# Altium PCB DRS4-PCB.PcbDoc (part 9 of 15) (continued)
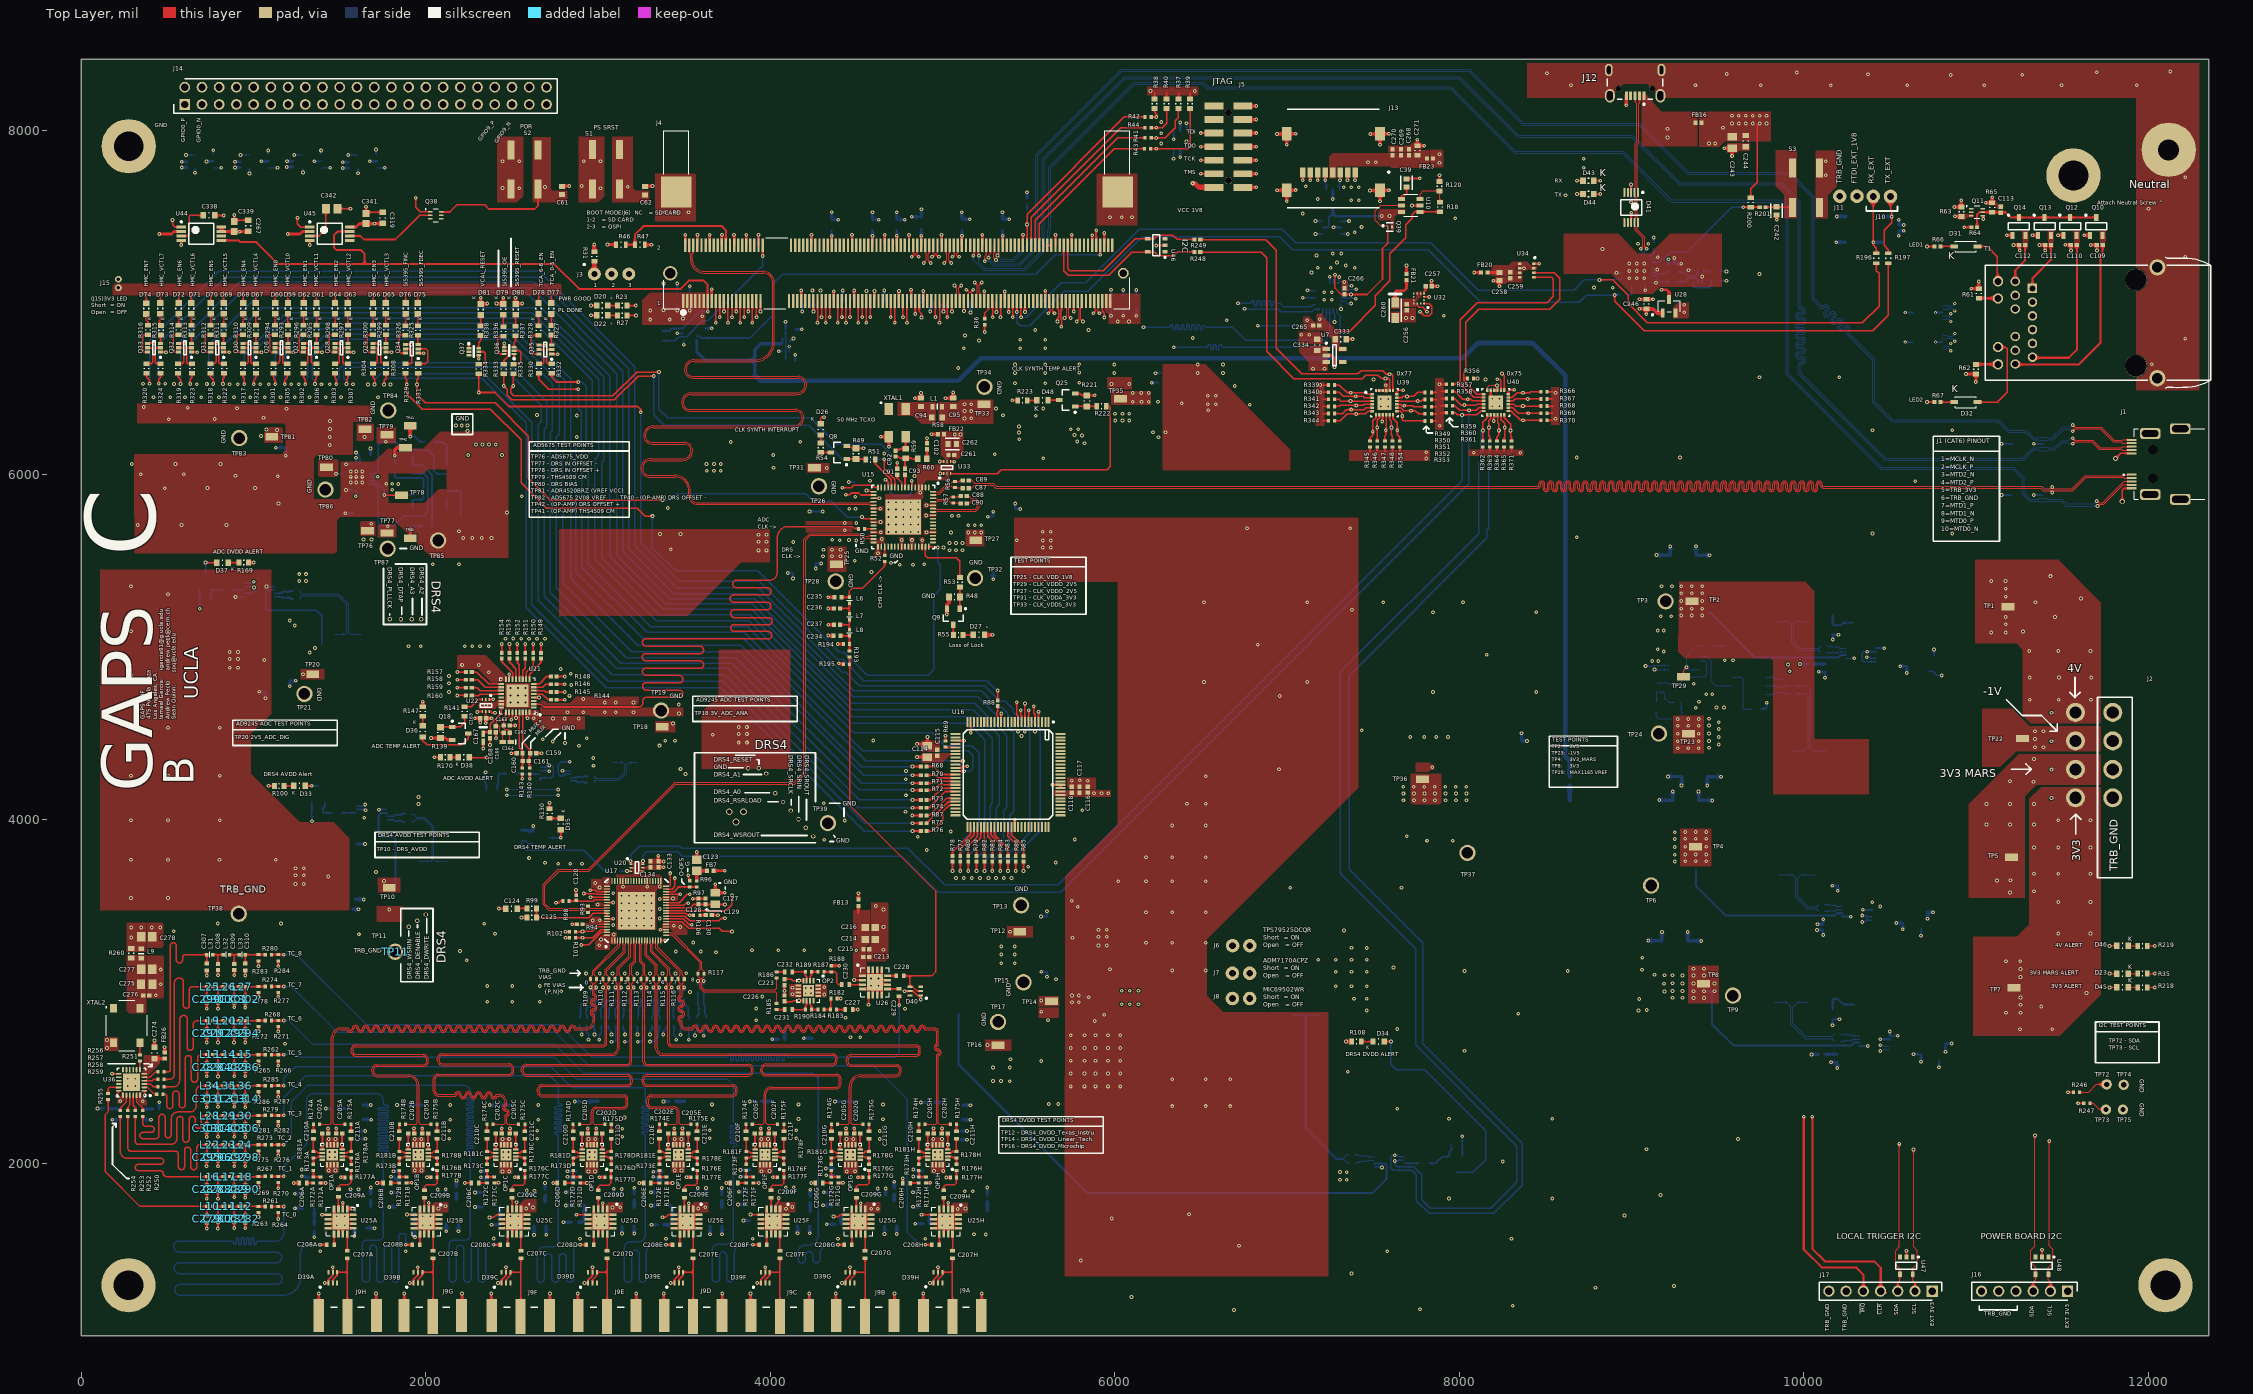
[diagram p0: Top Layer view]
## Nets (pads, with @x,y where several pads share a name; then routed paths per layer and width w, separated by ;. In a path a pad name is that pad's centre, name@x,y a point inside that pad or via, vN(x,y) a via of type N, cw(c..) or ccw(c..) an arc to the next point about the centre after c; other vN are vias at no path point) (continued)
NetD69_1: D69.1 R311.2 | length 67.2
  Top Layer w7.87: R311.2@825.83,6867.01 D69.1@825.83,6934.17
NetD70_1: D70.1 R312.2 | length 67.2
  Top Layer w7.87: R312.2@751.02,6867.01 D70.1@751.02,6934.17
NetD71_1: D71.1 R313.2 | length 67.7
  Top Layer w7.87: D71.1@638.42,6934.17 638.42,6868.35 R313.2@639.77,6867.01
NetD72_1: D72.1 R314.2 | length 67.5
  Top Layer w7.87: D72.1@563.98,6934.06 563.98,6868 R314.2@564.97,6867.01
NetD73_1: D73.1 R315.2 | length 69.7
  Top Layer w7.87: R315.2@452.31,6867.03 452.31,6891.24 458.81,6897.73 D73.1@458.81,6934.08
NetD74_1: D74.1 R316.2 | length 69.9
  Top Layer w7.87: D74.1@376.08,6932.62 376.08,6898.02 386.45,6887.64 R316.2@386.45,6867.03
NetD75_1: D75.1 R325.2 | length 69.2
  Top Layer w7.87: R325.2@1953.46,6864.35 D75.1@1953.46,6933.56
NetD76_1: D76.1 R326.2 | length 69.2
  Top Layer w7.87: R326.2@1882.44,6864.35 D76.1@1882.44,6933.56
NetD77_1: D77.1 R327.2 | length 67.1
  Top Layer w7.87: R327.2@2728.82,6866.53 D77.1@2728.82,6933.58
NetD78_1: D78.1 R328.2 | length 69.5
  Top Layer w7.87: R328.2@2653.82,6864.06 D78.1@2653.82,6933.58
NetD79_2: D79.2 R336.1 | length 69.5
  Top Layer w7.87: R336.1@2449.98,6859.12 D79.2@2449.98,6928.66
NetD80_2: D80.2 R337.1 | length 65.9
  Top Layer w7.87: R337.1@2521,6862.36 D80.2@2521,6928.31
NetD81_2: D81.2 R338.1 | length 63.9
  Top Layer w7.87: R338.1@2317.87,6863.44 D81.2@2317.87,6927.32
NetF1_2: F1.2 Q1.2
NetF2_2: F2.2 Q2.2
NetF3_2: F3.2 Q3.2
NetF4_2: F4.2 R14.2
NetFB1_1: FB1.1 R1.3
NetFB2_1: FB2.1 R3.3
NetFB3_1: FB3.1 R5.3
NetFB4_1: FB4.1 R14.3
NetJ3_1: J3.1 R31.1 | length 73.9
  Top Layer w19.68: J3.1@2978.05,7165.12 R31.1@2978.05,7239.06
NetJ4_187: J4.187
NetJ4_189: J4.189
NetJ5_1: J5.1
NetJ5_3: J5.3
NetJ6_1: J6.1 J7.1 J8.1 R118.1
NetJ12_4: J12.4
NetJ14_33: J14.33
NetJ14_35: J14.35
NetJ14_37: J14.37
NetJ14_39: J14.39
NetJ16_1: J16.1
NetJ17_1: J17.1
NetOP1A_1: OP1A.1
NetOP1A_2: OP1A.2 R176A.2 R178A.1 | length 93
  Top Layer w8.72: OP1A.2@1514.41,2042.56 1544.68,2042.56 1553.07,2034.17 R178A.1@1566.22,2034.17 R176A.2@1566.22,1996.5
NetOP1A_11: OP1A.11 R173A.2 R181A.1 | length 92.5
  Top Layer w8.72: R173A.2@1346.81,1996.77 R181A.1@1346.81,2034.17 1365.43,2034.17 1373.82,2042.56 OP1A.11@1398.41,2042.56
NetOP1A_12: OP1A.12
NetOP1B_1: OP1B.1
NetOP1B_2: OP1B.2 R176B.2 R178B.1 | length 92.3
  Top Layer w8.72: OP1B.2@2013.16,2042.56 2037.71,2042.56 2045.07,2035.2 R178B.1@2064.75,2035.2 ; R176B.2@2065.04,1996.5 R178B.1@2065.04,2034.17
NetOP1B_11: OP1B.11 R173B.2 R181B.1 | length 92.5
  Top Layer w8.72: R173B.2@1845.55,1996.77 R181B.1@1845.55,2034.17 1864.18,2034.17 1872.57,2042.56 OP1B.11@1897.16,2042.56
NetOP1B_12: OP1B.12
NetOP1C_1: OP1C.1
NetOP1C_2: OP1C.2 R176C.2 R178C.1 | length 92.3
  Top Layer w8.72: OP1C.2@2522.33,2042.83 2546.88,2042.83 2554.24,2035.47 R178C.1@2573.93,2035.47 ; R176C.2@2574.21,1996.77 R178C.1@2574.21,2034.17 R178C.1@2574.21,2034.45
NetOP1C_11: OP1C.11 R173C.2 R181C.1 | length 92.5
  Top Layer w8.72: R173C.2@2355,1996.77 R181C.1@2355,2034.17 2373.63,2034.17 2382.02,2042.56 OP1C.11@2406.61,2042.56
NetOP1C_12: OP1C.12
NetOP1D_1: OP1D.1
NetOP1D_2: OP1D.2 R176D.2 R178D.1 | length 92.3
  Top Layer w8.72: OP1D.2@3022.49,2042.83 3047.04,2042.83 3054.4,2035.47 R178D.1@3074.09,2035.47 ; R176D.2@3076.47,1995.47 R178D.1@3076.47,2033.15
NetOP1D_11: OP1D.11 R173D.2 R181D.1 | length 92.5
  Top Layer w8.72: R173D.2@2855.16,1996.77 R181D.1@2855.16,2034.17 2873.79,2034.17 2882.17,2042.56 OP1D.11@2906.76,2042.56
NetOP1D_12: OP1D.12
NetOP1E_1: OP1E.1
NetOP1E_2: OP1E.2 R176E.2 R178E.1 | length 92.3
  Top Layer w8.72: OP1E.2@3521.15,2042.83 3545.7,2042.83 3553.06,2035.47 R178E.1@3572.75,2035.47 ; R176E.2@3575.13,1995.47 R178E.1@3575.13,2033.15
NetOP1E_11: OP1E.11 R173E.2 R181E.1 | length 92.5
  Top Layer w8.72: R173E.2@3355.63,1996.77 R181E.1@3355.63,2034.17 3374.26,2034.17 3382.65,2042.56 OP1E.11@3407.24,2042.56
NetOP1E_12: OP1E.12
NetOP1F_1: OP1F.1
NetOP1F_2: OP1F.2 R176F.2 R178F.1 | length 92.3
  Top Layer w8.72: OP1F.2@4024.22,2042.83 4048.77,2042.83 4056.13,2035.47 R178F.1@4075.82,2035.47 ; R176F.2@4078.2,1995.47 R178F.1@4078.2,2033.15
NetOP1F_11: OP1F.11 R173F.2 R181F.1 | length 92.5
  Top Layer w8.72: R173F.2@3858.7,1996.77 3858.7,2034.17 R181F.1@3859.13,2034.17 3877.33,2034.17 3885.72,2042.56 OP1F.11@3910.31,2042.56
NetOP1F_12: OP1F.12
NetOP1G_1: OP1G.1
NetOP1G_2: OP1G.2 R176G.2 R178G.1 | length 92.3
  Top Layer w8.72: OP1G.2@4519.02,2042.83 4543.57,2042.83 4550.94,2035.47 R178G.1@4570.62,2035.47 ; R176G.2@4573,1995.47 R178G.1@4573,2033.15
NetOP1G_11: OP1G.11 R173G.2 R181G.1 | length 92.5
  Top Layer w8.72: R173G.2@4353.94,1996.77 R181G.1@4353.94,2034.17 4372.57,2034.17 4380.95,2042.56 OP1G.11@4405.54,2042.56
NetOP1G_12: OP1G.12
NetOP1H_1: OP1H.1
NetOP1H_2: OP1H.2 R176H.2 R178H.1 | length 92.3
  Top Layer w8.72: OP1H.2@5026.54,2042.83 5051.09,2042.83 5058.46,2035.47 R178H.1@5078.14,2035.47 ; R176H.2@5080.52,1995.47 R178H.1@5080.52,2033.15
NetOP1H_11: OP1H.11 R173H.2 R181H.1 | length 92.5
  Top Layer w8.72: R173H.2@4861.46,1996.77 R181H.1@4861.46,2034.17 4880.09,2034.17 4888.47,2042.56 OP1H.11@4913.06,2042.56
NetOP1H_12: OP1H.12
NetOP2_1: OP2.1
NetOP2_2: OP2.2 R187.2 R189.1 | length 92.3
  Top Layer w8.72: OP2.2@4230.19,3059.86 4230.19,3084.41 4237.55,3091.77 R189.1@4237.55,3111.46 ; R189.1@4239.87,3113.84 R187.2@4277.55,3113.84
NetOP2_11: OP2.11 R184.2 R190.1 | length 92.5
  Top Layer w7.87: OP2.11@4230.47,2946.38 4230.47,2921.79 4238.86,2913.4 R190.1@4238.86,2894.75 ; R190.1@4238.86,2894.75 R184.2@4276.26,2894.77
NetOP2_12: OP2.12
NetOP3_1: OP3.1 OP3.2 R288.2 | length 196.4
  Bottom Layer w10: R288.2@2048.98,6191.95 2050.93,6190 2101,6190 2120.42,6170.58 OP3.1@2120.42,6104.47 OP3.2@2120.42,6054.47
NetOP3_5: OP3.5 R290.1 R292.1 | length 221.9
  Bottom Layer w8: OP3.5@2120.42,5904.47 2195.94,5904.47 R290.1@2202,5898.41 R292.1@2202,5760.59
NetOP3_6: OP3.6 OP3.7 | length 50
  Bottom Layer w8: OP3.7@2120.42,5804.47 OP3.6@2120.42,5854.47
NetOP3_8: OP3.8 OP3.9 R291.1 | length 430.4
  Bottom Layer w10: R291.1@1818.89,6016.44 1818.89,5988.44 1826.33,5981 1980.23,5981 1986,5975.23 1986,5862.14 1978.33,5854.47 OP3.9@1922.42,5854.47 OP3.8@1922.42,5804.47
NetOP3_13: OP3.13 OP3.14 R289.1 | length 483.9
  Bottom Layer w10: OP3.14@1922.42,6104.47 OP3.13@1922.42,6054.47 1980.23,6054.47 2036,5998.7 R289.1@2036,5701.47
NetQ5_1: Q5.1 Q6.3 R24.1 | length 7997.5
  Bottom Layer w11.81: 4062.72,6761.06 4068.94,6767.29 4068.94,6790.09
  Bottom Layer w13.78: 3572.24,6713.65 Q6.3@3572.24,6782.14
  Bottom Layer w19.68: 3572.24,6713.65 3620.93,6664.96 3909.56,6664.96 ; 3909.56,6577.76 3909.56,6664.96 ; 4062.4,6761.06 3945.08,6761.06 3909.56,6725.55 3909.56,6664.96
  Bottom Layer w27.56: 3909.56,6577.76 3942.04,6545.29 5089.78,6545.29 5220.39,6675.9 8019.59,6675.9 8107.89,6764.21 8426.53,6764.21 8614.16,6576.57 8614.16,4362.86 8639.98,4337.05 R24.1@8639.98,4249.12
NetQ5_3: Q5.3 R23.1 | length 1169.1
  Top Layer w7.87: R23.1@3167.96,6982.13 v1(3219,6982.13)
  Power Layer 10 w7.87: v1(3219,6982.13) 3948.31,6982.13 3967.64,6962.8 3967.64,6805.91 3983.46,6790.08 v1(4134.24,6790.08)
  Bottom Layer w8: Q5.3@4108.31,6776.9 4121.06,6776.9 v1(4134.24,6790.08)
NetQ5_4: Q5.4 Q5.6 | length 130.4
  Power Layer 10 w7.87: v1(4048.49,6717.24) 4075.64,6744.4 v7(4109.28,6744.4)
  Bottom Layer w7.87: v1(4048.49,6717.24) 4068.38,6717.24 4068.94,6716.68 Q5.6@4068.94,6711.9 ; Q5.4@4108.31,6711.9 4108.79,6712.38 4108.79,6743.91 v7(4109.28,6744.4)
NetQ6_6: Q6.6 R27.2 | length 424.9
  Top Layer w7.87: R27.2@3167.87,6924.49 v1(3219.7,6924.49)
  Power Layer 10 w7.87: v1(3219.7,6924.49) 3219.7,6856.22 3228.61,6847.31 3453.34,6847.31 3459.72,6840.94 3459.5,6840.73 v1(3459.5,6821.71) 3459.5,6820.85 v1@3459.72,6820.64
  Bottom Layer w5: v1(3459.5,6821.71) Q6.6@3497.53,6821.71
NetQ7_1: Q7.1 R32.1 R34.1
NetQ8_1: Q8.1 R49.1 R51.1 | length 112.6
  Top Layer w7.87: Q8.1@4442,6091.48 R49.1@4496.19,6091.48 ; R49.1@4496.95,6090.5 4550.86,6090.5 R51.1@4554.05,6087.32
NetQ8_3: Q8.3 R54.1 | length 57.3
  Top Layer w7.87: R54.1@4292.3,6128.49 4292.7,6128.88 Q8.3@4349.48,6128.88
NetQ9_1: Q9.1 R48.1 R53.1 | length 125.3
  Top Layer w7.87: Q9.1@5099.1,5222.51 5099.68,5223.09 R48.1@5099.68,5290.43 R53.1@5099.68,5347.53
NetQ9_3: Q9.3 R55.1 | length 60.8
  Top Layer w7.87: Q9.3@5061.69,5129.99 5061.69,5071.89 R55.1@5063.63,5069.96
NetQ10_1: Q10.1 Q11.3 Q12.1 Q13.1 Q14.1 R63.1 | length 1010.3
  Top Layer w15.75: v1(10877.32,7500.4) 10878.4,7499.33 R63.1@10914.64,7499.33 ; v1(11178.03,7389.68) Q14.1@11210.66,7389.68 ; v1(11326.74,7389.68) Q13.1@11359.37,7389.68 ; v1(11475.45,7389.68) Q12.1@11508.08,7389.68 ; v1(11627.02,7389.68) Q10.1@11659.66,7389.68 Q10.1@11659.57,7389.77
  Signal Layer 3 w15.75: v1(10877.32,7500.4) 10872.87,7495.95 10872.87,7432.16 10915.35,7389.68 v1(11627.02,7389.68)
NetQ11_1: Q11.1
NetQ11_2: Q11.2
NetQ11_6: Q11.6
NetQ15_1: Q15.1 R91.1 R95.1 | length 120.1
  Bottom Layer w7.87: Q15.1@1412.6,4100.01 1412.6,4071.8 1401.77,4060.97 R91.1@1401.77,4036.66 1452.37,4036.66 R95.1@1453.55,4037.84
NetQ16_1: Q16.1 R104.1 R107.1 | length 208.9
  Bottom Layer w7.87: R107.1@7822.88,2001.3 7861.13,2001.3 7900.47,2040.64 7941.22,2040.64 Q16.1@7942.17,2041.59 7942.17,2068.48 7953.87,2080.18 R104.1@7953.87,2109.64
NetQ17_1: Q17.1 R119.1 R129.1 | length 678
  Bottom Layer w7.87: Q17.1@2623.16,3856.37 2593.09,3856.37 2575.59,3873.87 R119.1@2555.24,3873.87 2555.24,3844.32 2578.65,3820.9 2917.58,3820.9 3039.62,3698.86 R129.1@3068.26,3698.86
NetQ18_1: Q18.1 R139.1 R141.1 | length 196.7
  Top Layer w7.87: R139.1@2084.8,4535.52 Q18.1@2153.5,4535.52 2198.94,4535.52 2224.85,4561.42 R141.1@2224.85,4607.35
NetQ19_1: Q19.1 R164.1 R167.1 | length 143.2
  Bottom Layer w7.8: Q19.1@2420.29,4236.83 2420.29,4258.23 2427.35,4265.29 R167.1@2468.78,4265.29
  Bottom Layer w7.87: R164.1@2414.41,4168.9 2414.41,4195.73 2420.29,4201.6 Q19.1@2420.29,4236.83
NetQ20_1: Q20.1 R163.1 R168.1 | length 142.6
  Bottom Layer w7.87: R163.1@749.74,5265.89 749.74,5298.2 758.08,5306.54 Q20.1@758.08,5333.81 761.22,5330.67 R168.1@827.97,5330.67
NetQ21_2: Q21.2 R205.2 | length 148.9
  Bottom Layer w7.87: R205.2@9267.59,7175.7 R205.2@9275.47,7175.7 9304.99,7175.7 9324.68,7156.01 9374.04,7156.01 9383.73,7165.71 Q21.2@9383.73,7186.32
NetQ21_3: Q21.3 R202.1 | length 56.4
  Bottom Layer w7.87: Q21.3@9409.32,7186.32 9432.17,7186.32 9438.85,7179.64 9462.69,7179.64 R202.1@9462.9,7179.84
NetQ21_5: Q21.5 R204.1 | length 148.4
  Bottom Layer w7.87: R204.1@9267.59,7120.58 R204.1@9275.47,7120.58 9308.93,7120.58 9328.61,7140.27 9375.86,7140.27 9383.73,7132.39 Q21.5@9383.73,7111.52
NetQ21_6: Q21.6 R203.1 | length 157.9
  Bottom Layer w7.87: Q21.6@9358.14,7111.52 9358.14,7095.26 9367.6,7085.81 9449.35,7085.81 9462.9,7099.35 R203.1@9462.9,7126.68
NetQ22_1: Q22.1 R209.1 R215.1
NetQ23_1: Q23.1 R210.1 R216.1
NetQ25_1: Q25.1 R221.1 R222.1 | length 125.8
  Top Layer w7.87: Q25.1@5769.12,6395.51 5771.08,6397.47 R222.1@5894.14,6397.47
NetQ26_2: Q26.2 R305.2 | length 127.2
  Top Layer w7.87: Q26.2@1188.07,6737.09 1174.99,6737.09 1168.58,6730.68 1168.58,6649.02 1173.03,6644.57 R305.2@1190.13,6644.57
NetQ26_3: Q26.3 R293.1 | length 49.2
  Top Layer w7.87: Q26.3@1199.41,6762.68 R293.1@1199.41,6811.89
NetQ26_5: Q26.5 R301.1 | length 156.9
  Top Layer w7.87: R301.1@1111.44,6644.57 R301.1@1115.32,6644.57 1138.86,6644.57 1151.66,6657.37 1151.66,6729.18 1143.75,6737.09 Q26.5@1124.62,6737.09 Q26.5@1115.33,6737.09
NetQ26_6: Q26.6 R294.1 | length 156.4
  Top Layer w7.87: Q26.6@1124.62,6711.5 1123.05,6709.92 1102.51,6709.92 1093.03,6719.4 1093.03,6805.33 1099.59,6811.89 R294.1@1124.61,6811.89
NetQ27_2: Q27.2 R306.2 | length 123.6
  Top Layer w7.87: Q27.2@1353.62,6737.09 1343.53,6737.09 1333.53,6727.08 1333.53,6653.64 1342.6,6644.57 R306.2@1355.67,6644.57
NetQ27_3: Q27.3 R295.1 | length 49.2
  Top Layer w7.87: Q27.3@1364.96,6762.68 R295.1@1364.96,6811.89
NetQ27_5: Q27.5 R302.1 | length 157.4
  Top Layer w7.87: R302.1@1276.99,6644.57 R302.1@1289.65,6644.57 1308.53,6644.57 1315.59,6651.63 1315.59,6729.75 1308.26,6737.09 Q27.5@1290.17,6737.09 Q27.5@1280.88,6737.09
NetQ27_6: Q27.6 R296.1 | length 148
  Top Layer w7.87: Q27.6@1290.17,6711.5 1268.69,6711.5 1263.4,6716.79 1263.4,6807.14 1268.14,6811.89 R296.1@1290.16,6811.89
NetQ28_2: Q28.2 R307.2 | length 123.4
  Top Layer w7.87: Q28.2@1535.94,6737.09 1525.55,6737.09 1516.25,6727.79 1516.25,6653.32 1525.01,6644.57 R307.2@1538,6644.57
NetQ28_3: Q28.3 R297.1 | length 49.2
  Top Layer w7.87: Q28.3@1547.28,6762.68 R297.1@1547.28,6811.89
NetQ28_5: Q28.5 R303.1 | length 157.4
  Top Layer w7.87: R303.1@1459.31,6644.57 R303.1@1472.68,6644.57 1490.85,6644.57 1497.92,6651.63 1497.92,6729.75 1490.58,6737.09 Q28.5@1472.5,6737.09 Q28.5@1463.21,6737.09
NetQ28_6: Q28.6 R298.1 | length 157.1
  Top Layer w7.87: Q28.6@1472.5,6711.5 1447.15,6711.5 1440.34,6718.31 1440.34,6805.67 1446.56,6811.89 R298.1@1472.48,6811.89
NetQ29_2: Q29.2 R308.2 | length 120.9
  Top Layer w7.87: Q29.2@1756.49,6737.09 1746.94,6737.09 1737.23,6727.38 1737.23,6655.61 1748.28,6644.57 R308.2@1758.54,6644.57
NetQ29_3: Q29.3 R299.1 | length 49.2
  Top Layer w7.87: Q29.3@1767.83,6762.68 R299.1@1767.83,6811.9
NetQ29_5: Q29.5 R304.1 | length 157.4
  Top Layer w7.87: R304.1@1679.86,6644.57 R304.1@1693.67,6644.57 1711.4,6644.57 1718.46,6651.63 1718.46,6729.75 1711.13,6737.09 Q29.5@1693.04,6737.09 Q29.5@1683.75,6737.09
NetQ29_6: Q29.6 R300.1 | length 157.1
  Top Layer w7.87: Q29.6@1693.05,6711.51 1667.7,6711.51 1660.89,6718.32 1660.89,6805.68 1667.11,6811.9 R300.1@1693.03,6811.9
NetQ30_2: Q30.2 R321.2 | length 145.4
  Top Layer w7.87: Q30.2@1013.4,6737.09 990.89,6737.09 983.86,6730.06 983.86,6651.59 990.89,6644.57 R321.2@1013.39,6644.57 R321.2@1015.45,6644.57
NetQ30_3: Q30.3 R309.1 | length 49.2
  Top Layer w7.87: Q30.3@1013.39,6762.68 R309.1@1013.39,6811.89
NetQ30_5: Q30.5 R317.1 | length 148.4
  Top Layer w7.87: R317.1@934.7,6644.57 R317.1@938.58,6644.57 959.85,6644.57 968.99,6653.71 968.99,6731.16 963.06,6737.09 Q30.5@938.59,6737.09
NetQ30_6: Q30.6 R310.1 | length 162.7
  Top Layer w7.87: Q30.6@938.58,6711.5 912.77,6711.5 900.82,6723.44 900.82,6801.22 911.49,6811.89 R310.1@938.58,6811.89
NetQ31_2: Q31.2 R322.2 | length 145.2
  Top Layer w7.87: Q31.2@825.84,6737.09 803.34,6737.09 796.55,6730.3 796.55,6651.34 803.33,6644.57 R322.2@827.9,6644.57
NetQ31_3: Q31.3 R311.1 | length 49.2
  Top Layer w7.87: Q31.3@825.83,6762.68 R311.1@825.83,6811.89
NetQ31_5: Q31.5 R318.1 | length 140.3
  Top Layer w7.87: R318.1@750.52,6644.57 771.78,6644.57 781.99,6654.78 781.99,6728.14 773.04,6737.09 Q31.5@754.42,6737.09
NetQ31_6: Q31.6 R312.1 | length 157.5
  Top Layer w7.87: R312.1@751.02,6811.89 749.99,6810.85 724.56,6810.85 718.18,6804.47 718.18,6718.81 725.49,6711.5 Q31.6@751.04,6711.5
NetQ32_2: Q32.2 R323.2 | length 145
  Top Layer w7.87: Q32.2@639.66,6737.09 617.15,6737.09 610.64,6730.58 610.64,6651.07 617.15,6644.57 R323.2@641.71,6644.57
NetQ32_3: Q32.3 R313.1 | length 49.3
  Top Layer w7.87: Q32.3@639.67,6762.68 639.67,6776.93 639.77,6777.03 R313.1@639.77,6811.89
NetQ32_5: Q32.5 R319.1 | length 148.3
  Top Layer w7.87: R319.1@560.96,6644.57 586.11,6644.57 595.14,6653.6 595.14,6731.27 589.32,6737.09 Q32.5@564.85,6737.09
NetQ32_6: Q32.6 R314.1 | length 151.4
  Top Layer w7.87: Q32.6@564.85,6711.5 545.41,6711.5 534.44,6722.47 534.44,6805.9 540.43,6811.89 R314.1@564.97,6811.89
NetQ33_2: Q33.2 R324.2 | length 145.3
  Top Layer w7.87: Q33.2@459.41,6737.09 437.26,6737.09 428.25,6728.09 428.25,6652.67 436.36,6644.56 R324.2@459.86,6644.57
NetQ33_3: Q33.3 R315.1 | length 49.7
  Top Layer w7.87: Q33.3@459.41,6762.68 459.41,6809.21 R315.1@461.65,6811.46
NetQ33_5: Q33.5 R320.1 | length 145.4
  Top Layer w7.87: R320.1@378.64,6644.57 404.79,6644.56 413.33,6653.1 413.33,6727.61 403.84,6737.09 Q33.5@384.61,6737.09
NetQ33_6: Q33.6 R316.1 | length 149.3
  Top Layer w7.87: Q33.6@384.61,6711.5 365.94,6711.5 355.66,6721.79 355.66,6803.72 363.84,6811.91 R316.1@386.45,6811.91
NetQ34_2: Q34.2 R331.2 | length 183.3
  Top Layer w9.8: R331.2@1955.59,6644.57 1997.84,6644.57 2010.67,6657.4 2010.67,6721.22 2001.02,6730.87 Q34.2@1955.59,6730.87
NetQ34_3: Q34.3 R325.1 | length 53.6
  Top Layer w7.87: R325.1@1953.46,6809.23 1953.46,6758.58 Q34.3@1955.58,6756.46
NetQ34_5: Q34.5 R329.1 | length 150.6
  Top Layer w7.8: R329.1@1880.79,6644.57 1912.27,6644.57 1916.71,6649.01 1916.71,6722.38 1908.22,6730.87 Q34.5@1880.78,6730.87
NetQ34_6: Q34.6 R326.1 | length 167.1
  Top Layer w7.87: Q34.6@1880.79,6705.28 1879.75,6706.32 1855.12,6706.32 1844.83,6716.6 1844.83,6802.77 1851.3,6809.23 R326.1@1882.44,6809.23
NetQ35_2: Q35.2 R332.2 | length 131.4
  Top Layer w7.87: R332.2@2730.47,6644.57 2706.02,6644.57 2701.36,6649.23 2701.36,6716.34 2711.27,6726.26 Q35.2@2730.46,6726.26
NetQ35_3: Q35.3 R327.1 | length 60.2
  Top Layer w7.87: R327.1@2728.82,6811.41 2728.82,6753.48 Q35.3@2730.46,6751.85
NetQ35_5: Q35.5 R330.1 | length 131.5
  Top Layer w7.87: R330.1@2655.67,6644.57 2678.84,6644.57 2685.31,6651.04 2685.31,6716.59 2675.65,6726.26 Q35.5@2655.65,6726.26
NetQ35_6: Q35.6 R328.1 | length 178.9
  Top Layer w7.87: R328.1@2653.82,6808.94 2626,6808.94 2612.75,6795.69 2612.75,6710.2 2622.28,6700.66 Q35.6@2655.67,6700.66
NetQ36_2: Q36.2 R335.1 | length 145.9
  Top Layer w7.87: R335.1@2507.48,6644.63 2539.42,6644.63 2550.57,6655.78 2550.57,6711.98 2542.02,6720.53 Q36.2@2512.13,6720.53
NetQ36_3: Q36.3 R337.2 | length 70.7
  Top Layer w7.87: Q36.3@2512.13,6740.21 2512.13,6767.79 2521,6776.66 R337.2@2521,6807.23
NetQ36_5: Q36.5 R333.2 | length 106.9
  Top Layer w7.87: R333.2@2452.2,6644.93 2452.2,6661.57 2479.58,6688.95 2479.58,6712.7 2471.75,6720.53 Q36.5@2455.05,6720.53
NetQ36_6: Q36.6 R336.2 | length 160.9
  Top Layer w7.87: R336.2@2449.98,6803.99 2428.29,6803.99 2416.39,6792.09 2416.39,6713.67 2429.21,6700.84 Q36.6@2455.05,6700.84
NetQ37_2: Q37.2
NetQ37_3: Q37.3
NetQ37_5: Q37.5 R334.2 | length 119.5
  Top Layer w9.84: Q37.5@2306.66,6713.85 2335.61,6713.85 2343.88,6705.58 2343.88,6657.03 2329.77,6642.92 R334.2@2319.33,6642.92
NetQ37_6: Q37.6 R338.2 | length 80.7
  Top Layer w7.87: Q37.6@2306.66,6733.53 2306.15,6734.1 2306.15,6767.31 2319.68,6780.85 R338.2@2319.68,6808.34
NetQ38_2: Q38.2 U45.6 | length 535.8
  Top Layer w9.84: U45.6@1558.17,7386.22 1619.27,7386.22 1640.18,7365.31 1822.79,7365.31 1874.06,7416.58 1874.58,7416.58 1964,7506 Q38.2@2025.5,7506 Q38.2@2027,7506
NetQ38_3: Q38.3
NetQ38_4: Q38.4
NetQ38_5: Q38.5
NetQ39_1: Q39.1 U10.5 | length 305.3
  Top Layer w5: Q39.1@7583.23,7444.97 7543.71,7444.97 7511,7477.68 7511,7531 7543,7563 U10.5@7663.97,7563
NetR10_1: R10.1 R11.2 U3.7
NetR18_1: R18.1 R120.2 U10.3 | length 216.7
  Top Layer w6: U10.3@7771.47,7600.4 7771.47,7629.53 7789.38,7647.44 R120.2@7884.8,7647.44 7887,7645.24 R18.1@7887,7581.56
NetR34_2: R34.2 U14.3
NetR51_2: R51.2 U15.12 | length 199.7
  Top Layer w7.87: R51.2@4609.17,6087.32 4609.17,6063.46 4703.06,5969.57 U15.12@4703.06,5926.47
NetR53_2: R53.2 U15.47 | length 360
  Top Layer w7.87: U15.47@4899.91,5581.98 4899.91,5530.52 4912.8,5517.64 5080.03,5517.64 5099.68,5497.99 R53.2@5099.68,5402.65
NetR61_2: R61.2 T1.14 | length 109.9
  Top Layer w15.75: R61.2@11015.41,7025.02 T1.14@11125.35,7025.02
NetR62_2: R62.2 T1.16 | length 127.2
  Top Layer w15.75: R62.2@10999.02,6639.99 11000.24,6641.21 T1.16@11125.68,6641.21
NetR69_1: R69.1 U16.30 | length 58.8
  Top Layer w7.87: R69.1@5016.61,4419.76 5019.76,4416.61 U16.30@5074.09,4416.61
NetR94_2: R94.2 U17.72 | length 140.1
  Top Layer w7.87: R94.2@2910.43,3389.69 2910.8,3390.05 2959.88,3390.05 2959.99,3389.94 3050.17,3389.94 U17.72@3050.28,3390.05
NetR95_2: R95.2 U18.3 | length 88.6
  Bottom Layer w7.87: R95.2@1508.67,4037.84 1509.68,4036.82 U18.3@1596.9,4036.82
NetR107_2: R107.2 U19.3 | length 86.8
  Bottom Layer w7.87: U19.3@7680.98,2001.3 R107.2@7767.77,2001.3
NetR121_2: R121.2 U31.6 | length 101.2
  Bottom Layer w5: U31.6@9777,4825 9824,4825 9836,4813 9872.56,4813 R121.2@9873,4813.44
NetR122_2: R122.2 R123.1 U31.3 | length 291.9
  Bottom Layer w5: U31.3@9583,4825 9636,4825 9647.56,4813.44 9647.56,4639 R123.1@9695.69,4639
NetR124_1: R124.1 R125.2 U43.3 | length 206.1
  Bottom Layer w5: R124.1@9144.51,4677.56 R125.2@9144.51,4738.44 ; R125.2@9144.85,4738.62 9180,4738.62 9192,4726.62 9192,4703 9217.01,4677.99 U43.3@9251.15,4677.99
NetR126_1: R126.1 TP29.1 U49.4 | length 329.2
  Top Layer w5: TP29.1@9301,4826 9301,4864 v1(9319,4882)
  Bottom Layer w5: U49.4@9388.65,4868.61 9332.39,4868.61 v1(9319,4882) 9319,4945.93 9378.88,5005.8 R126.1@9420.8,5005.8
NetR129_2: R129.2 U20.3 | length 66.7
  Top Layer w7.87: v1(3167.59,3698.86) U20.3@3190.11,3698.86
  Bottom Layer w7.87: R129.2@3123.38,3698.86 v1(3167.59,3698.86)
NetR141_2: R141.2 U22.3 | length 120.8
  Top Layer w7.87: R141.2@2224.92,4653.05 2262.78,4653.05 2304.81,4695.08 U22.3@2328.27,4695.08
NetR167_2: R167.2 U23.3 | length 142
  Bottom Layer w7.8: R167.2@2523.9,4265.29 R167.2@2524.86,4266.25 ; R167.2@2524.86,4264.89 2563.58,4264.89 2567.26,4261.21 U23.3@2663.94,4261.21
NetR168_2: R168.2 U24.3 | length 64.3
  Bottom Layer w7.87: R168.2@883.09,5330.67 U24.3@947.41,5330.71
NetR171A_1: R171A.1 R172A.1 R173A.1 | length 78.7
  Top Layer w8.72: R173A.1@1346.81,1961.34 R172A.1@1346.81,1923.94 R171A.1@1388.16,1923.94
NetR171B_1: R171B.1 R172B.1 R173B.1 | length 78.8
  Top Layer w8.72: R173B.1@1845.55,1961.34 R172B.1@1845.55,1923.94 R171B.1@1886.9,1923.94
NetR171C_1: R171C.1 R172C.1 R173C.1 | length 78.8
  Top Layer w8.72: R173C.1@2355,1961.34 R172C.1@2355,1923.94 R171C.1@2396.35,1923.94
NetR171D_1: R171D.1 R172D.1 R173D.1 | length 78.8
  Top Layer w8.72: R173D.1@2855.16,1961.34 R172D.1@2855.16,1923.94 R171D.1@2896.51,1923.94
NetR171E_1: R171E.1 R172E.1 R173E.1 | length 78.8
  Top Layer w8.72: R173E.1@3355.63,1961.34 R172E.1@3355.63,1923.94 R171E.1@3396.98,1923.94
NetR171F_1: R171F.1 R172F.1 R173F.1 | length 78.8
  Top Layer w8.72: R173F.1@3859.13,1961.34 R172F.1@3859.13,1923.94 R171F.1@3900.48,1923.94
NetR171G_1: R171G.1 R172G.1 R173G.1 | length 78.8
  Top Layer w8.72: R173G.1@4353.94,1961.34 R172G.1@4353.94,1923.94 R171G.1@4395.29,1923.94
NetR171H_1: R171H.1 R172H.1 R173H.1 | length 78.8
  Top Layer w8.72: R173H.1@4861.46,1961.34 R172H.1@4861.46,1923.94 R171H.1@4902.81,1923.94
NetR182_1: R182.1 R183.1 R184.1 | length 102.8
  Top Layer w8.72: R184.1@4311.69,2894.77 R183.1@4349.09,2894.77 4349.09,2920.55 4351.07,2922.53 R182.1@4351.07,2959.32
NetR198_1: R198.1 U27.30 | length 79.7
  Bottom Layer w7.87: R198.1@8966.13,7044.38 8991.36,7044.38 8999.53,7052.55 U27.30@8999.53,7095.47
NetR199_1: R199.1 U27.2 | length 57.6
  Bottom Layer w7.87: R199.1@8885.39,7131.12 8902.9,7131.12 8906.07,7134.29 8941.03,7134.29 U27.2@8941.46,7133.86
NetR200_1: R200.1 R201.1 U27.18 | length 759.9
  Top Layer w7.87: v1(9648.2,7553.18) R200.1@9691.51,7553.18 R201.1@9743.67,7553.18
  Bottom Layer w7.87: U27.18@9116.65,7232.28 9164.1,7232.28 9223.32,7291.5 9319.5,7291.5 9581.18,7553.18 v1(9648.2,7553.18)
NetR215_2: R215.2 U29.3
NetR216_2: R216.2 U30.3
NetR222_2: R222.2 U33.3 | length 1315.5
  Top Layer w7.87: U33.3@5045.34,6006.51 5317.48,6006.51 5339.39,6028.42 5954.33,6028.42 5973.82,6047.91 5973.82,6390.16 5966.5,6397.47 R222.2@5949.25,6397.47
NetR246_2: R246.2 TP72.1 | length 175.9
  Top Layer w6: R246.2@11600.92,2414.92 11652.6,2414.92 11698.12,2460.44 TP72.1@11757.98,2460.44
NetR247_2: R247.2 TP73.1 | length 108.6
  Top Layer w6: R247.2@11659.92,2350.59 11679.91,2350.59 11714.57,2315.94 11752.03,2315.94 TP73.1@11753.57,2314.4
NetR250_1: R250.1 U36.23 | length 97.8
  Top Layer w8.72: U36.23@320.43,2398.48 320.43,2360.18 356.79,2323.82 R250.1@356.79,2315.71
NetR251_1: R251.1 XTAL2.3 | length 70.8
  Top Layer w7.87: R251.1@339.98,2631.62 XTAL2.3@339.98,2702.44
NetR251_2: R251.2 U36.7 | length 50.1
  Top Layer w7.87: R251.2@339.98,2596.19 339.98,2546.25 U36.7@340.11,2546.12
NetR252_1: R252.1 U36.22 | length 93.5
  Top Layer w8.72: U36.22@300.74,2398.48 300.74,2338.93 313.32,2326.36 R252.1@313.32,2310.16
NetR253_1: R253.1 U36.21 | length 93
  Top Layer w8.72: R253.1@269.84,2310.16 269.84,2328.99 281.06,2340.21 U36.21@281.06,2398.48
NetR254_1: R254.1 U36.20 | length 97.8
  Top Layer w8.72: R254.1@226.37,2315.22 226.37,2325.02 261.37,2360.03 U36.20@261.37,2398.48
NetR255_1: R255.1 U36.17 | length 92.7
  Top Layer w8.72: R255.1@154.77,2407.82 154.77,2434.94 162.61,2442.78 U36.17@217.08,2442.78
NetR256_1: R256.1 U36.5 | length 93.8
  Top Layer w8.72: U36.5@364.72,2501.83 398.17,2501.83 429.6,2533.26 R256.1@445.49,2533.26
NetR257_1: R257.1 U36.4 | length 83.9
  Top Layer w8.72: U36.4@364.72,2482.15 411.8,2482.15 419.44,2489.79 R257.1@445.49,2489.79
NetR258_1: R258.1 U36.3 | length 87.5
  Top Layer w8.72: U36.3@364.72,2462.46 400.77,2462.46 416.92,2446.31 R258.1@445.49,2446.31
NetR259_1: R259.1 U36.2 | length 89.2
  Top Layer w8.72: U36.2@364.72,2442.78 383.84,2442.78 423.77,2402.84 R259.1@437.4,2402.79
NetU7_4: U7.4
NetU15_1: U15.1
NetU15_2: U15.2
NetU15_7: U15.7
NetU15_10: U15.10
NetU15_14: U15.14
NetU15_15: U15.15
NetU15_23: U15.23
NetU15_24: U15.24
NetU15_27: U15.27
NetU15_34: U15.34
NetU15_36: U15.36
NetU15_37: U15.37
NetU15_38: U15.38
NetU15_39: U15.39
NetU15_41: U15.41
NetU15_42: U15.42
NetU15_44: U15.44
NetU15_45: U15.45
NetU15_49: U15.49
NetU15_50: U15.50
NetU15_51: U15.51
NetU15_53: U15.53
NetU15_54: U15.54
NetU15_55: U15.55
NetU15_56: U15.56
NetU16_1: U16.1
NetU16_2: U16.2
NetU16_3: U16.3
NetU16_6: U16.6
NetU16_11: U16.11
NetU16_12: U16.12
NetU16_13: U16.13
NetU16_14: U16.14
NetU16_17: U16.17
NetU16_18: U16.18
NetU16_19: U16.19
NetU16_20: U16.20
NetU16_21: U16.21
NetU16_22: U16.22
NetU16_23: U16.23
NetU16_25: U16.25
NetU16_26: U16.26
NetU16_27: U16.27
NetU16_29: U16.29
NetU16_31: U16.31
NetU16_33: U16.33
NetU16_35: U16.35
NetU16_44: U16.44
NetU16_48: U16.48
NetU16_49: U16.49
NetU16_50: U16.50
NetU16_51: U16.51
NetU16_60: U16.60
NetU16_61: U16.61
NetU16_62: U16.62
NetU16_66: U16.66
NetU16_67: U16.67
NetU16_68: U16.68
NetU16_69: U16.69
NetU16_70: U16.70
NetU16_71: U16.71
NetU16_72: U16.72
NetU16_73: U16.73
NetU16_74: U16.74
NetU16_75: U16.75
NetU16_76: U16.76
NetU16_77: U16.77
NetU16_78: U16.78
NetU16_79: U16.79
NetU16_80: U16.80
NetU16_81: U16.81
NetU16_86: U16.86
NetU16_87: U16.87
NetU16_88: U16.88
NetU16_89: U16.89
NetU16_90: U16.90
NetU16_91: U16.91
NetU16_92: U16.92
NetU16_93: U16.93
NetU16_94: U16.94
NetU16_95: U16.95
NetU16_96: U16.96
NetU16_97: U16.97
NetU16_98: U16.98
NetU16_99: U16.99
NetU16_100: U16.100
NetU17_40: U17.40
NetU17_41: U17.41
NetU17_42: U17.42
NetU17_43: U17.43
NetU17_45: U17.45
NetU17_46: U17.46
NetU17_47: U17.47
NetU17_48: U17.48
NetU17_49: U17.49
NetU17_50: U17.50
NetU17_51: U17.51
NetU17_52: U17.52
NetU17_54: U17.54
NetU17_55: U17.55
NetU17_56: U17.56
NetU17_57: U17.57
NetU21_1: U21.1
NetU21_3: U21.3
NetU21_21: U21.21
NetU27_3: U27.3
NetU27_5: U27.5
NetU27_6: U27.6
NetU27_7: U27.7
NetU27_8: U27.8
NetU27_9: U27.9
NetU27_10: U27.10
NetU27_11: U27.11
NetU27_12: U27.12
NetU27_13: U27.13
NetU27_23: U27.23
NetU27_25: U27.25
NetU27_27: U27.27
NetU27_28: U27.28
NetU27_29: U27.29
NetU27_31: U27.31
NetU27_32: U27.32
NetU32_2: U32.2
NetU32_7: U32.7
NetU32_8: U32.8
NetU32_12: U32.12
NetU35_8: U35.8
NetU35_10: U35.10
NetU35_12: U35.12
NetU35_13: U35.13
NetU35_14: U35.14
NetU35_15: U35.15
NetU36_8: U36.8
NetU36_9: U36.9
NetU36_10: U36.10
NetU36_11: U36.11
NetU36_12: U36.12
NetU36_14: U36.14
NetU36_15: U36.15
NetU36_16: U36.16
NetU37_6: U37.6
NetU37_7: U37.7
NetU37_8: U37.8
NetU37_10: U37.10
NetU37_16: U37.16